# KiCad board audio-latency-processing-board.kicad_pcb (continued)
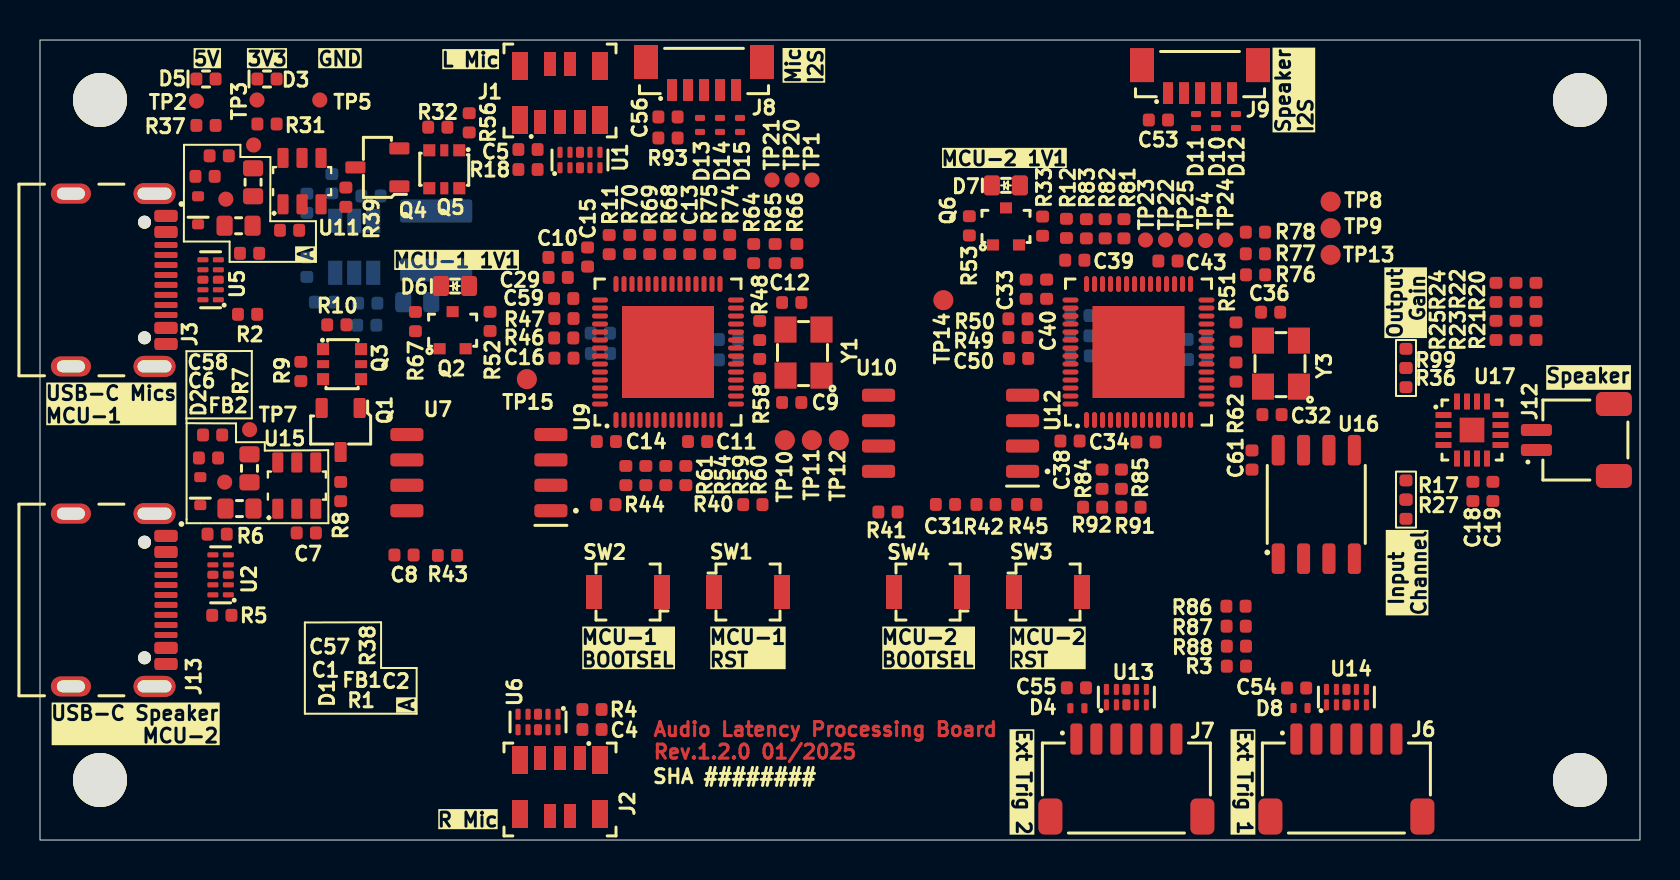
[diagram p0: board, top side]
## Library data of the parts (continued)
C56 = -: Datasheet: https://www.murata.com/products/productdetail?partno=GRM155R61H104KE14%23; Description: SMD Multilayer Ceramic Capacitor, 0.1 µF, 50 V, 0402 [1005 Metric], ± 10%, X5R, GRM Series; MPN: GRM155R61H104KE14D; Manufacturer: Murata; License: Apache-2.0; Author: Antmicro; Val: 100n; Voltage: 50V; Dielectric: X5R; Field12: Author: Antmicro; Field13: License: Apache-2.0
C57 = -: Datasheet: https://www.murata.com/products/productdetail?partno=GRM155R61A106ME11%23; Description: Multilayer Ceramic Capacitors MLCC - SMD/SMT 10 uF 10 VDC 20% 0402 X5R; MPN: GRM155R61A106ME11D; Manufacturer: Murata; License: Apache-2.0; Author: Antmicro; Val: 10u; Voltage: 10V; Dielectric: X5R; Field11: License: Apache-2.0; Field13: Author: Antmicro
C58 = -: Datasheet: https://www.murata.com/products/productdetail?partno=GRM155R61A106ME11%23; Description: Multilayer Ceramic Capacitors MLCC - SMD/SMT 10 uF 10 VDC 20% 0402 X5R; MPN: GRM155R61A106ME11D; Manufacturer: Murata; License: Apache-2.0; Author: Antmicro; Val: 10u; Voltage: 10V; Dielectric: X5R; Field11: Author: Antmicro; Field12: License: Apache-2.0
C60 = -: Datasheet: https://www.kemet.com/en/us/capacitors/product/C0402C104J4RAC7411.html; Description: SMD Multilayer Ceramic Capacitor, 100nF, 50V, 0402, ±5%, X7R; MPN: C0402C104J4RAC7411; Val: 100n; Voltage: 16V; Dielectric: X7R; Manufacturer: KEMET; License: Apache-2.0; Author: Antmicro; Field11: License: Apache-2.0; Field12: Author: Antmicro
D1 = -: Datasheet: https://assets.nexperia.com/documents/data-sheet/PESD5V0X1UB.pdf; Description: Unidirectional TVS, 8 kV,  SOD-523, 5.5 V, 0.95 pF; MPN: PESD5V0X1UB,135; Manufacturer: Nexperia; Author: Antmicro; License: Apache-2.0; Field8: License: Apache-2.0; Field9: Author: Antmicro
D2 = -: Datasheet: https://assets.nexperia.com/documents/data-sheet/PESD5V0X1UB.pdf; Description: Unidirectional TVS, 8 kV,  SOD-523, 5.5 V, 0.95 pF; MPN: PESD5V0X1UB,135; Manufacturer: Nexperia; Author: Antmicro; License: Apache-2.0; Field8: License: Apache-2.0; Field10: Author: Antmicro
D3 = -: Datasheet: https://www.vishay.com/docs/82554/vlmo1500.pdf; Description: LED, Green, SMD, 1005, 5 mA, 3.1 V, 535 nm; MPN: VLMTG1500-GS08; Manufacturer: Vishay; Color: Green; Author: Antmicro; License: Apache-2.0; Field9: License: Apache-2.0; Field10: Author: Antmicro
D4 = -: Datasheet: https://www.ti.com/general/docs/suppproductinfo.tsp?distId=26&gotoUrl=https://www.ti.com/lit/gpn/tpd1e0b04; MPN: TPD1E0B04DPYR; Manufacturer: Texas Instruments; Author: Antmicro; License: Apache-2.0; Field8: License: Apache-2.0; Field10: Author: Antmicro
D5 = -: Datasheet: https://www.vishay.com/docs/82554/vlmo1500.pdf; Description: LED, Green, SMD, 1005, 5 mA, 3.1 V, 535 nm; MPN: VLMTG1500-GS08; Manufacturer: Vishay; Color: Green; Author: Antmicro; License: Apache-2.0; Field10: License: Apache-2.0; Field11: Author: Antmicro
D6 = -: Datasheet: http://www.kingbright.com/attachments/file/psearch//000/00/00/KP-1608CGCK(Ver.23B).pdf; Description: LED, Green, SMD, 0603, 20 mA, 2.1 V, 570 nm; MPN: KP-1608CGCK; Manufacturer: Kingbright; Color: Green; Author: Antmicro; License: Apache-2.0; Field9: License: Apache-2.0; Field10: Author: Antmicro
D7 = -: Datasheet: http://www.kingbright.com/attachments/file/psearch//000/00/00/KP-1608CGCK(Ver.23B).pdf; Description: LED, Green, SMD, 0603, 20 mA, 2.1 V, 570 nm; MPN: KP-1608CGCK; Manufacturer: Kingbright; Color: Green; Author: Antmicro; License: Apache-2.0; Field10: Author: Antmicro; Field11: License: Apache-2.0
D8 D13 = -: Datasheet: https://www.ti.com/general/docs/suppproductinfo.tsp?distId=26&gotoUrl=https://www.ti.com/lit/gpn/tpd1e0b04; MPN: TPD1E0B04DPYR; Manufacturer: Texas Instruments; Author: Antmicro; License: Apache-2.0; Field8: Author: Antmicro; Field10: License: Apache-2.0
D10 = -: Datasheet: https://www.ti.com/general/docs/suppproductinfo.tsp?distId=26&gotoUrl=https://www.ti.com/lit/gpn/tpd1e0b04; MPN: TPD1E0B04DPYR; Manufacturer: Texas Instruments; Author: Antmicro; License: Apache-2.0; Field9: Author: Antmicro; Field10: License: Apache-2.0
D11 D12 D14 = -: Datasheet: https://www.ti.com/general/docs/suppproductinfo.tsp?distId=26&gotoUrl=https://www.ti.com/lit/gpn/tpd1e0b04; MPN: TPD1E0B04DPYR; Manufacturer: Texas Instruments; Author: Antmicro; License: Apache-2.0; Field8: Author: Antmicro; Field9: License: Apache-2.0
D15 = -: Datasheet: https://www.ti.com/general/docs/suppproductinfo.tsp?distId=26&gotoUrl=https://www.ti.com/lit/gpn/tpd1e0b04; MPN: TPD1E0B04DPYR; Manufacturer: Texas Instruments; Author: Antmicro; License: Apache-2.0; Field9: License: Apache-2.0; Field10: Author: Antmicro
FB1 = -: Datasheet: https://www.murata.com/en-us/products/productdata/8796738650142/ENFA0003.pdf; Description: Ferrite Bead, 0603 [1608 Metric], 120 ohm, 2 A, BLM18P, 0.05 ohm, ± 25%, DC power line; Val: 120Z/2A; MPN: BLM18PG121SN1D; Manufacturer: Murata; Author: Antmicro; License: Apache-2.0; Field11: License: Apache-2.0; Field12: Author: Antmicro
FB2 = -: Datasheet: https://www.murata.com/en-us/products/productdata/8796738650142/ENFA0003.pdf; Description: Ferrite Bead, 0603 [1608 Metric], 120 ohm, 2 A, BLM18P, 0.05 ohm, ± 25%, DC power line; Val: 120Z/2A; MPN: BLM18PG121SN1D; Manufacturer: Murata; Author: Antmicro; License: Apache-2.0; Field11: Author: Antmicro; Field12: License: Apache-2.0
FB3 = -: Datasheet: https://www.murata.com/en-us/products/productdata/8796738650142/ENFA0003.pdf; Description: Ferrite Bead, 0603 [1608 Metric], 120 ohm, 2 A, BLM18P, 0.05 ohm, ± 25%, DC power line; Val: 120Z/2A; MPN: BLM18PG121SN1D; Manufacturer: Murata; Author: Antmicro; License: Apache-2.0; Field10: License: Apache-2.0; Field12: Author: Antmicro
J1 = -: Datasheet: https://www.molex.com/content/dam/molex/molex-dot-com/products/automated/en-us/salesdrawingpdf/501/501951/5019510550_sd.pdf?inline; Description: Connector FFC/FPC SKT 5 Position 0.5mm Solder Straight Surface Mount T/R; Manufacturer: Molex; MPN: 501951-0550; Author: Antmicro; License: Apache-2.0; Field8: Author: Antmicro; Field10: License: Apache-2.0
J2 = -: Datasheet: https://www.molex.com/content/dam/molex/molex-dot-com/products/automated/en-us/salesdrawingpdf/501/501951/5019510550_sd.pdf?inline; Description: Connector FFC/FPC SKT 5 Position 0.5mm Solder Straight Surface Mount T/R; Manufacturer: Molex; MPN: 501951-0550; Author: Antmicro; License: Apache-2.0; Field8: License: Apache-2.0; Field9: Author: Antmicro
J3 = -: Datasheet: https://gct.co/files/drawings/usb4105.pdf; Description: USB-C (USB TYPE-C) USB 2.0 Receptacle Connector 24 (16+8 Dummy) Position Surface Mount, Right Angle; Manufacturer: GCT; MPN: USB4105-GF-A; Author: Antmicro; License: Apache-2.0; Field8: PCB-EDGE; Field9: Author: Antmicro; Field11: License: Apache-2.0
J6 = -: Datasheet: https://www.jst-mfg.com/product/pdf/eng/eSH.pdf; Description: Pin Header, Right Angle, Wire-to-Board, 1 mm, 1 Rows, 6 Contacts, Surface Mount Right Angle, SR; MPN: SM06B-SRSS-TB(LF)(SN); Manufacturer: JST Automotive Connectors; Author: Antmicro; License: Apache-2.0; Field8: License: Apache-2.0; Field9: Author: Antmicro
J7 = -: Datasheet: https://www.jst-mfg.com/product/pdf/eng/eSH.pdf; Description: Pin Header, Right Angle, Wire-to-Board, 1 mm, 1 Rows, 6 Contacts, Surface Mount Right Angle, SR; MPN: SM06B-SRSS-TB(LF)(SN); Manufacturer: JST Automotive Connectors; Author: Antmicro; License: Apache-2.0; Field8: License: Apache-2.0; Field10: Author: Antmicro
J8 = -: Datasheet: https://www.jst.com/wp-content/uploads/2021/09/eSUR-new.pdf; Description: Pin Header, Vertical, Wire-to-Board, 0.5 mm, 1 Rows, 5 Contacts, Surface Mount Vertical, SUR; MPN: BM05B-SURS-TF(LF)(SN); Manufacturer: JST Automotive Connectors; Author: Antmicro; License: Apache-2.0; Field8: Author: Antmicro; Field10: License: Apache-2.0
J9 = -: Datasheet: https://www.jst.com/wp-content/uploads/2021/09/eSUR-new.pdf; Description: Pin Header, Vertical, Wire-to-Board, 0.5 mm, 1 Rows, 5 Contacts, Surface Mount Vertical, SUR; MPN: BM05B-SURS-TF(LF)(SN); Manufacturer: JST Automotive Connectors; Author: Antmicro; License: Apache-2.0; Field8: Author: Antmicro; Field9: License: Apache-2.0
J12 = -: Datasheet: https://www.jst-mfg.com/product/pdf/eng/eSH.pdf; Description: Rectangular connector, header; MPN: SM02B-SRSS-TB(LF)(SN); Manufacturer: JST Automotive Connectors; Author: Antmicro; License: Apache-2.0; Field9: Author: Antmicro; Field10: License: Apache-2.0
J13 = -: Datasheet: https://gct.co/files/drawings/usb4105.pdf; Description: USB-C (USB TYPE-C) USB 2.0 Receptacle Connector 24 (16+8 Dummy) Position Surface Mount, Right Angle; Manufacturer: GCT; MPN: USB4105-GF-A; Author: Antmicro; License: Apache-2.0; Field8: License: Apache-2.0; Field9: PCB-EDGE; Field10: Author: Antmicro
L1 = -: Datasheet: https://www.vishay.com/docs/34295/sc15ah01.pdf; Description: Power Inductor (SMT), 2.2 µH, 3.1 A, Shielded, 3.1 A, IFSC-1515AH-01; Val: 2u2/3.1A; Manufacturer: Vishay; MPN: IFSC1515AHER2R2M01; ISat: 2.8 A; IMax: 3.1 A; Size: 4.0x4.0; Author: Antmicro; License: Apache-2.0; Field13: Author: Antmicro; Field14: License: Apache-2.0
MP1 MP2 = -: Description: Mechanical part; Author: Antmicro; License: Apache-2.0; Field7: License: Apache-2.0; Field8: Author: Antmicro
MP3 = -: Description: Mechanical part; Author: Antmicro; License: Apache-2.0; Field6: License: Apache-2.0; Field7: Author: Antmicro
MP4 = -: Description: Mechanical part; Author: Antmicro; License: Apache-2.0; Field7: Author: Antmicro; Field8: License: Apache-2.0
Q1 = -: Datasheet: https://www.mouser.com/datasheet/2/408/SSM3J332R_datasheet_en_20181015-1150575.pdf; MPN: SSM3J332R,LF; Manufacturer: Toshiba; Author: Antmicro; License: Apache-2.0; Field9: License: Apache-2.0; Field10: Author: Antmicro
Q2 Q6 = -: Datasheet: https://assets.nexperia.com/documents/data-sheet/BC817W_SER.pdf; MPN: BC817-25W,115; Manufacturer: Nexperia; Author: Antmicro; License: Apache-2.0; Field8: Author: Antmicro; Field9: License: Apache-2.0; ki_fp_filters: SOT?323*
Q3 Q5 = -: Datasheet: https://www.diodes.com/assets/Datasheets/BCM857BS.pdf; Manufacturer: Diodes Incorporated; Author: Antmicro; License: Apache-2.0; Field8: Author: Antmicro; Field10: License: Apache-2.0
Q4 = -: Datasheet: https://www.mouser.com/datasheet/2/408/SSM3J332R_datasheet_en_20181015-1150575.pdf; MPN: SSM3J332R,LF; Manufacturer: Toshiba; Author: Antmicro; License: Apache-2.0; Field8: License: Apache-2.0; Field9: Author: Antmicro
R1 = -: Datasheet: https://www.bourns.com/docs/product-datasheets/cr.pdf; Description: SMD Chip Resistor, 5.1 kohm, ± 1%, 63 mW, 0402 [1005 Metric], Thick Film, General Purpose; MPN: CR0402-FX-5101GLF; Manufacturer: Bourns; License: Apache-2.0; Author: Antmicro; Val: 5k1; Tolerance: 1%; Field10: License: Apache-2.0; Field11: Author: Antmicro
R2 R6 = -: Datasheet: https://www.bourns.com/docs/product-datasheets/cr.pdf; Description: SMD Chip Resistor, 5.1 kohm, ± 1%, 63 mW, 0402 [1005 Metric], Thick Film, General Purpose; MPN: CR0402-FX-5101GLF; Manufacturer: Bourns; License: Apache-2.0; Author: Antmicro; Val: 5k1; Tolerance: 1%; Field11: Author: Antmicro; Field12: License: Apache-2.0
R3 R24 R54 R81 R87 R93 = -: Datasheet: https://industrial.panasonic.com/cdbs/www-data/pdf/RDA0000/AOA0000C301.pdf; Description: SMD Chip Resistor, Jumper, 0 ohm, 100 mW, 0402 [1005 Metric], Thick Film, General Purpose; MPN: ERJ2GE0R00X; Manufacturer: Panasonic; License: Apache-2.0; Author: Antmicro; Val: 0R; Current: 1A; Field11: Author: Antmicro; Field13: License: Apache-2.0
R4 R12 R21 R75 = -: Datasheet: https://industrial.panasonic.com/cdbs/www-data/pdf/RDA0000/AOA0000C301.pdf; Description: SMD Chip Resistor, Jumper, 0 ohm, 100 mW, 0402 [1005 Metric], Thick Film, General Purpose; MPN: ERJ2GE0R00X; Manufacturer: Panasonic; License: Apache-2.0; Author: Antmicro; Val: 0R; Current: 1A; Field11: License: Apache-2.0; Field13: Author: Antmicro
R5 = -: Datasheet: https://www.bourns.com/docs/product-datasheets/cr.pdf; Description: SMD Chip Resistor, 5.1 kohm, ± 1%, 63 mW, 0402 [1005 Metric], Thick Film, General Purpose; MPN: CR0402-FX-5101GLF; Manufacturer: Bourns; License: Apache-2.0; Author: Antmicro; Val: 5k1; Tolerance: 1%; Field11: License: Apache-2.0; Field12: Author: Antmicro
R7 = -: Datasheet: https://fscdn.rohm.com/en/products/databook/datasheet/passive/resistor/chip_resistor/pmr-jpw-e.pdf; Description: SMD Chip Resistor; MPN: PMR03EZPJ000; Manufacturer: ROHM Semiconductor; Val: 0R; Max. Curr.: 22.4A; Author: Antmicro; License: Apache-2.0; Tolerance: template_tolerance; Field11: License: Apache-2.0; Field12: Author: Antmicro
R8 = -: Datasheet: https://www.bourns.com/docs/product-datasheets/cr.pdf; Description: SMD Chip Resistor, 20 kohm, ± 1%, 62.5 mW, 0402 [1005 Metric], Thick Film, General Purpose; Manufacturer: Bourns; MPN: CR0402-FX-2002GLF; Val: 20k; License: Apache-2.0; Author: Antmicro; Tolerance: 1%; Field11: Author: Antmicro; Field12: License: Apache-2.0
R9 = -: Datasheet: https://www.bourns.com/docs/product-datasheets/cr.pdf; Manufacturer: Bourns; MPN: CR0402-FX-1002GLF; Val: 10k; License: Apache-2.0; Author: Antmicro; Tolerance: 1%; Field10: Author: Antmicro; Field12: License: Apache-2.0
R10 = -: Datasheet: https://www.bourns.com/docs/product-datasheets/cr.pdf; Manufacturer: Bourns; MPN: CR0402-FX-1002GLF; Val: 10k; License: Apache-2.0; Author: Antmicro; Tolerance: 1%; Field10: Author: Antmicro; Field11: License: Apache-2.0
R11 R18 R22 R25 R68 R70 R88 = -: Datasheet: https://industrial.panasonic.com/cdbs/www-data/pdf/RDA0000/AOA0000C301.pdf; Description: SMD Chip Resistor, Jumper, 0 ohm, 100 mW, 0402 [1005 Metric], Thick Film, General Purpose; MPN: ERJ2GE0R00X; Manufacturer: Panasonic; License: Apache-2.0; Author: Antmicro; Val: 0R; Current: 1A; Field11: Author: Antmicro; Field12: License: Apache-2.0
R17 R23 R28 R36 R59 R60 R69 R85 R99 = -: Datasheet: https://industrial.panasonic.com/cdbs/www-data/pdf/RDA0000/AOA0000C301.pdf; Description: SMD Chip Resistor, Jumper, 0 ohm, 100 mW, 0402 [1005 Metric], Thick Film, General Purpose; MPN: ERJ2GE0R00X; Manufacturer: Panasonic; License: Apache-2.0; Author: Antmicro; Val: 0R; Current: 1A; Field12: Author: Antmicro; Field13: License: Apache-2.0
R20 R66 R74 R76 = -: Datasheet: https://industrial.panasonic.com/cdbs/www-data/pdf/RDA0000/AOA0000C301.pdf; Description: SMD Chip Resistor, Jumper, 0 ohm, 100 mW, 0402 [1005 Metric], Thick Film, General Purpose; MPN: ERJ2GE0R00X; Manufacturer: Panasonic; License: Apache-2.0; Author: Antmicro; Val: 0R; Current: 1A; Field11: License: Apache-2.0; Field12: Author: Antmicro
R27 = -: Datasheet: https://www.bourns.com/docs/product-datasheets/cr.pdf; Description: SMD Chip Resistor, 1 Mohm, ± 1%, 62.5 mW, 0402 [1005 Metric], Thick Film, General Purpose; MPN: CR0402-FX-1004GLF; Manufacturer: Bourns; License: Apache-2.0; Author: Antmicro; Val: 1M; Tolerance: 1%; Field10: Author: Antmicro; Field12: License: Apache-2.0
R29 = -: Datasheet: https://www.mouser.com/datasheet/2/447/YAGEO_PYu_RC_Group_51_RoHS_L_12-3313492.pdf; Description: SMD Chip Resistor, 3.16 kohm, ± 1%, 62.5 mW, 0402 [1005 Metric], Thick Film, General Purpose; MPN: RC0402FR-073K16L; Val: 3k16; Manufacturer: YAGEO; Tolerance: 1%; Author: Antmicro; License: Apache-2.0; Field10: Author: Antmicro; Field11: License: Apache-2.0
R30 = -: Datasheet: https://www.bourns.com/docs/product-datasheets/cr.pdf; Description: SMD Chip Resistor, 1 kohm, ± 1%, 63 mW, 0402 [1005 Metric], Thick Film, General Purpose; MPN: CR0402-FX-1001GLF; Manufacturer: Bourns; License: Apache-2.0; Author: Antmicro; Val: 1k; Tolerance: 1%; Field10: License: Apache-2.0; Field12: Author: Antmicro
R31 = -: Datasheet: https://www.bourns.com/docs/product-datasheets/cr.pdf; Description: SMD Chip Resistor, 220 ohm, ± 1%, 62.5 mW, 0402 [1005 Metric], Thick Film, General Purpose; MPN: CR0402-FX-2200GLF; Manufacturer: Bourns; License: Apache-2.0; Author: Antmicro; Val: 220R; Tolerance: 1%; Field10: License: Apache-2.0; Field12: Author: Antmicro
R32 = -: Datasheet: https://www.bourns.com/docs/product-datasheets/cr.pdf; MPN: CR0402-FX-1002GLF; Manufacturer: Bourns; License: Apache-2.0; Author: Antmicro; Val: 10k; Tolerance: 1%; Field11: Author: Antmicro; Field12: License: Apache-2.0
R33 R44 = -: Datasheet: https://www.bourns.com/docs/product-datasheets/cr.pdf; Description: SMD Chip Resistor, 1 kohm, ± 1%, 63 mW, 0402 [1005 Metric], Thick Film, General Purpose; MPN: CR0402-FX-1001GLF; Manufacturer: Bourns; License: Apache-2.0; Author: Antmicro; Val: 1k; Tolerance: 1%; Field10: Author: Antmicro; Field11: License: Apache-2.0
R37 = -: Datasheet: https://www.bourns.com/docs/product-datasheets/cr.pdf; Description: SMD Chip Resistor, 1 kohm, ± 1%, 63 mW, 0402 [1005 Metric], Thick Film, General Purpose; MPN: CR0402-FX-1001GLF; Manufacturer: Bourns; License: Apache-2.0; Author: Antmicro; Val: 1k; Tolerance: 1%; Field10: Author: Antmicro; Field12: License: Apache-2.0
R38 = -: Datasheet: https://fscdn.rohm.com/en/products/databook/datasheet/passive/resistor/chip_resistor/pmr-jpw-e.pdf; Description: SMD Chip Resistor; MPN: PMR03EZPJ000; Manufacturer: ROHM Semiconductor; Val: 0R; Max. Curr.: 22.4A; Author: Antmicro; License: Apache-2.0; Tolerance: template_tolerance; Field11: Author: Antmicro; Field12: License: Apache-2.0
R39 = -: Datasheet: https://www.bourns.com/docs/product-datasheets/cr.pdf; Description: SMD Chip Resistor, 20 kohm, ± 1%, 62.5 mW, 0402 [1005 Metric], Thick Film, General Purpose; MPN: CR0402-FX-2002GLF; Manufacturer: Bourns; License: Apache-2.0; Author: Antmicro; Val: 20k; Tolerance: 1%; Field10: License: Apache-2.0; Field11: Author: Antmicro
R40 R42 R43 = -: Datasheet: https://www.bourns.com/docs/product-datasheets/cr.pdf; Description: SMD Chip Resistor, 10 kohm, ± 1%, 62.5 mW, 0402 [1005 Metric], Thick Film, General Purpose; MPN: CR0402-FX-1002GLF; Manufacturer: Bourns; License: Apache-2.0; Author: Antmicro; Val: 10k; Tolerance: 1%; Field10: Author: Antmicro; Field12: License: Apache-2.0
R41 = -: Datasheet: https://www.bourns.com/docs/product-datasheets/cr.pdf; Description: SMD Chip Resistor, 10 kohm, ± 1%, 62.5 mW, 0402 [1005 Metric], Thick Film, General Purpose; MPN: CR0402-FX-1002GLF; Manufacturer: Bourns; License: Apache-2.0; Author: Antmicro; Val: 10k; Tolerance: 1%; Field10: Author: Antmicro; Field11: License: Apache-2.0
R45 R48 R52 = -: Datasheet: https://www.bourns.com/docs/product-datasheets/cr.pdf; Description: SMD Chip Resistor, 1 kohm, ± 1%, 63 mW, 0402 [1005 Metric], Thick Film, General Purpose; MPN: CR0402-FX-1001GLF; Manufacturer: Bourns; License: Apache-2.0; Author: Antmicro; Val: 1k; Tolerance: 1%; Field10: License: Apache-2.0; Field11: Author: Antmicro
R46 = -: Datasheet: https://www.bourns.com/docs/product-datasheets/cr.pdf; Description: SMD Chip Resistor, 27 ohm, ± 1%, 63 mW, 0402 [1005 Metric], Thick Film, General Purpose; MPN: CR0402-FX-27R0GLF; Manufacturer: Bourns; License: Apache-2.0; Author: Antmicro; Val: 27R; Tolerance: 1%; Field10: Author: Antmicro; Field11: License: Apache-2.0
R47 = -: Datasheet: https://www.bourns.com/docs/product-datasheets/cr.pdf; Description: SMD Chip Resistor, 27 ohm, ± 1%, 63 mW, 0402 [1005 Metric], Thick Film, General Purpose; MPN: CR0402-FX-27R0GLF; Manufacturer: Bourns; License: Apache-2.0; Author: Antmicro; Val: 27R; Tolerance: 1%; Field11: Author: Antmicro; Field12: License: Apache-2.0
R49 = -: Datasheet: https://www.bourns.com/docs/product-datasheets/cr.pdf; Description: SMD Chip Resistor, 27 ohm, ± 1%, 63 mW, 0402 [1005 Metric], Thick Film, General Purpose; MPN: CR0402-FX-27R0GLF; Manufacturer: Bourns; License: Apache-2.0; Author: Antmicro; Val: 27R; Tolerance: 1%; Field10: License: Apache-2.0; Field12: Author: Antmicro
R50 = -: Datasheet: https://www.bourns.com/docs/product-datasheets/cr.pdf; Description: SMD Chip Resistor, 27 ohm, ± 1%, 63 mW, 0402 [1005 Metric], Thick Film, General Purpose; MPN: CR0402-FX-27R0GLF; Manufacturer: Bourns; License: Apache-2.0; Author: Antmicro; Val: 27R; Tolerance: 1%; Field10: License: Apache-2.0; Field11: Author: Antmicro
R51 = -: Datasheet: https://www.bourns.com/docs/product-datasheets/cr.pdf; Description: SMD Chip Resistor, 1 kohm, ± 1%, 63 mW, 0402 [1005 Metric], Thick Film, General Purpose; MPN: CR0402-FX-1001GLF; Manufacturer: Bourns; License: Apache-2.0; Author: Antmicro; Val: 1k; Tolerance: 1%; Field11: License: Apache-2.0; Field12: Author: Antmicro
R53 = -: Datasheet: https://www.bourns.com/docs/product-datasheets/cr.pdf; Description: SMD Chip Resistor, 270 ohm, ± 1%, 63 mW, 0402 [1005 Metric], Thick Film, General Purpose; MPN: CR0402-FX-2700GLF; Manufacturer: Bourns; License: Apache-2.0; Author: Antmicro; Val: 270R; Tolerance: 1%; Field11: Author: Antmicro; Field12: License: Apache-2.0
R56 = -: Datasheet: https://www.bourns.com/docs/product-datasheets/cr.pdf; Manufacturer: Bourns; MPN: CR0402-FX-1002GLF; Val: 10k; License: Apache-2.0; Author: Antmicro; Tolerance: 1%; Field10: License: Apache-2.0; Field12: Author: Antmicro
R58 = -: Datasheet: https://www.bourns.com/docs/product-datasheets/cr.pdf; Description: SMD Chip Resistor, 1 Mohm, ± 1%, 62.5 mW, 0402 [1005 Metric], Thick Film, General Purpose; MPN: CR0402-FX-1004GLF; Manufacturer: Bourns; License: Apache-2.0; Author: Antmicro; Val: 1M; Tolerance: 1%; Field10: License: Apache-2.0; Field12: Author: Antmicro
R61 R82-R84 R86 = -: Datasheet: https://industrial.panasonic.com/cdbs/www-data/pdf/RDA0000/AOA0000C301.pdf; Description: SMD Chip Resistor, Jumper, 0 ohm, 100 mW, 0402 [1005 Metric], Thick Film, General Purpose; MPN: ERJ2GE0R00X; Manufacturer: Panasonic; License: Apache-2.0; Author: Antmicro; Val: 0R; Current: 1A; Field12: License: Apache-2.0; Field13: Author: Antmicro
R62 = -: Datasheet: https://www.bourns.com/docs/product-datasheets/cr.pdf; Description: SMD Chip Resistor, 1 Mohm, ± 1%, 62.5 mW, 0402 [1005 Metric], Thick Film, General Purpose; MPN: CR0402-FX-1004GLF; Manufacturer: Bourns; License: Apache-2.0; Author: Antmicro; Val: 1M; Tolerance: 1%; Field11: Author: Antmicro; Field12: License: Apache-2.0
R64 R78 = -: Datasheet: https://www.bourns.com/docs/product-datasheets/cr.pdf; Description: SMD Chip Resistor, 51 ohm, ± 1%, 63 mW, 0402 [1005 Metric], Thick Film, General Purpose; MPN: CR0402-FX-51R0GLF; Manufacturer: Bourns; License: Apache-2.0; Author: Antmicro; Val: 51R; Tolerance: 1%; Field10: Author: Antmicro; Field11: License: Apache-2.0
R65 = -: Datasheet: https://www.bourns.com/docs/product-datasheets/cr.pdf; Description: SMD Chip Resistor, 51 ohm, ± 1%, 63 mW, 0402 [1005 Metric], Thick Film, General Purpose; MPN: CR0402-FX-51R0GLF; Manufacturer: Bourns; License: Apache-2.0; Author: Antmicro; Val: 51R; Tolerance: 1%; Field11: Author: Antmicro; Field12: License: Apache-2.0
R67 = -: Datasheet: https://www.bourns.com/docs/product-datasheets/cr.pdf; Description: SMD Chip Resistor, 270 ohm, ± 1%, 63 mW, 0402 [1005 Metric], Thick Film, General Purpose; MPN: CR0402-FX-2700GLF; Manufacturer: Bourns; License: Apache-2.0; Author: Antmicro; Val: 270R; Tolerance: 1%; Field10: License: Apache-2.0; Field12: Author: Antmicro
R77 = -: Datasheet: https://www.bourns.com/docs/product-datasheets/cr.pdf; Description: SMD Chip Resistor, 51 ohm, ± 1%, 63 mW, 0402 [1005 Metric], Thick Film, General Purpose; MPN: CR0402-FX-51R0GLF; Manufacturer: Bourns; License: Apache-2.0; Author: Antmicro; Val: 51R; Tolerance: 1%; Field10: License: Apache-2.0; Field11: Author: Antmicro
R91 = -: Datasheet: https://www.bourns.com/docs/product-datasheets/cr.pdf; Description: SMD Chip Resistor, 2.7 kohm, ± 1%, 63 mW, 0402 [1005 Metric], Thick Film, General Purpose; MPN: CR0402-FX-2701GLF; Manufacturer: Bourns; License: Apache-2.0; Author: Antmicro; Val: 2k7; Tolerance: 1%; Field10: License: Apache-2.0; Field12: Author: Antmicro
R92 = -: Datasheet: https://www.bourns.com/docs/product-datasheets/cr.pdf; Description: SMD Chip Resistor, 2.7 kohm, ± 1%, 63 mW, 0402 [1005 Metric], Thick Film, General Purpose; MPN: CR0402-FX-2701GLF; Manufacturer: Bourns; License: Apache-2.0; Author: Antmicro; Val: 2k7; Tolerance: 1%; Field10: License: Apache-2.0; Field11: Author: Antmicro
SW1 = -: Datasheet: https://omronfs.omron.com/en_US/ecb/products/pdf/en-b3u.pdf; Description: Tactile Switch, B3U, Top Actuated, Surface Mount, Round Button, 153 gf, 50mA at 12VDC; MPN: B3U-1000P; Manufacturer: Omron; Author: Antmicro; License: Apache-2.0; Field8: Author: Antmicro; Field9: License: Apache-2.0
SW2 = -: Datasheet: https://omronfs.omron.com/en_US/ecb/products/pdf/en-b3u.pdf; Description: Tactile Switch, B3U, Top Actuated, Surface Mount, Round Button, 153 gf, 50mA at 12VDC; MPN: B3U-1000P; Manufacturer: Omron; Author: Antmicro; License: Apache-2.0; Field8: License: Apache-2.0; Field10: Author: Antmicro
SW3 SW4 = -: Datasheet: https://omronfs.omron.com/en_US/ecb/products/pdf/en-b3u.pdf; Description: Tactile Switch, B3U, Top Actuated, Surface Mount, Round Button, 153 gf, 50mA at 12VDC; MPN: B3U-1000P; Manufacturer: Omron; Author: Antmicro; License: Apache-2.0; Field9: Author: Antmicro; Field10: License: Apache-2.0
TP1 TP22 = -: Description: SMT test point; Author: Antmicro; License: Apache-2.0; Field8: License: Apache-2.0; Field9: Author: Antmicro
TP2 TP3 TP17 TP21 = -: Description: SMT test point; Author: Antmicro; License: Apache-2.0; Field8: Author: Antmicro; Field10: License: Apache-2.0
TP4 TP6 TP7 TP16 TP24 = -: Description: SMT test point; Author: Antmicro; License: Apache-2.0; Field9: License: Apache-2.0; Field10: Author: Antmicro
TP5 = -: Description: SMT test point; Author: Antmicro; License: Apache-2.0; Field9: Author: Antmicro; Field10: License: Apache-2.0
TP8 TP10 TP13 = -: Description: Test point 1mm SMD; Author: Antmicro; License: Apache-2.0; Field9: Author: Antmicro; Field10: License: Apache-2.0
TP9 TP12 TP15 = -: Description: Test point 1mm SMD; Author: Antmicro; License: Apache-2.0; Field8: License: Apache-2.0; Field10: Author: Antmicro
TP11 = -: Description: Test point 1mm SMD; Author: Antmicro; License: Apache-2.0; Field8: Author: Antmicro; Field9: License: Apache-2.0
TP14 = -: Description: Test point 1mm SMD; Author: Antmicro; License: Apache-2.0; Field9: License: Apache-2.0; Field10: Author: Antmicro
TP20 TP23 = -: Description: SMT test point; Author: Antmicro; License: Apache-2.0; Field8: Author: Antmicro; Field9: License: Apache-2.0
TP25 = -: Description: SMT test point; Author: Antmicro; License: Apache-2.0; Field8: License: Apache-2.0; Field10: Author: Antmicro
U1 = -: Datasheet: https://www.ti.com/lit/ds/symlink/tpd4e05u06-q1.pdf?HQS=dis-mous-null-mousermode-dsf-pf-null-wwe&ts=1663591265741&ref_url=https%253A%252F%252Fwww.mouser.com%252F; Description: TVS diode array, 12 kV, USON-10, 5.5 V, 0.5 pF; Manufacturer: Texas Instruments; Author: Antmicro; License: Apache-2.0; Field9: License: Apache-2.0; Field10: Author: Antmicro
U2 U6 U14 = -: Datasheet: https://www.ti.com/lit/ds/symlink/tpd4e05u06-q1.pdf?HQS=dis-mous-null-mousermode-dsf-pf-null-wwe&ts=1663591265741&ref_url=https%253A%252F%252Fwww.mouser.com%252F; Description: TVS diode array, 12 kV, USON-10, 5.5 V, 0.5 pF; Manufacturer: Texas Instruments; Author: Antmicro; License: Apache-2.0; Field8: Author: Antmicro; Field9: License: Apache-2.0
U5 = -: Datasheet: https://www.ti.com/lit/ds/symlink/tpd4e05u06-q1.pdf?HQS=dis-mous-null-mousermode-dsf-pf-null-wwe&ts=1663591265741&ref_url=https%253A%252F%252Fwww.mouser.com%252F; Description: TVS diode array, 12 kV, USON-10, 5.5 V, 0.5 pF; Manufacturer: Texas Instruments; Author: Antmicro; License: Apache-2.0; Field8: Author: Antmicro; Field10: License: Apache-2.0
U7 U10 = -: Datasheet: https://www.winbond.com/resource-files/w25q128jv%20revf%2003272018%20plus.pdf; Description: FLASH - NOR Memory IC 128Mbit SPI - Quad I/O, QPI 104 MHz 8-SOIC; Manufacturer: Winbond; MPN: W25Q128JVSIQ; Author: Antmicro; License: Apache-2.0; Field9: Author: Antmicro; Field10: License: Apache-2.0
U8 = -: Datasheet: https://www.diodes.com/assets/Datasheets/AP62300_AP62301_AP62300T.pdf; Description: DC-DC Switching Synchronous Buck Regulator, Adjustable, 4.2V-18Vin, 0.8V-7V/3A out, TSOT-26-6; MPN: AP62301WU-7; Manufacturer: Diodes Incorporated; Author: Antmicro; License: Apache-2.0; Field8: Author: Antmicro; Field10: License: Apache-2.0
